# Altium PCB nPOC-BB_alpha_main-boardd.PcbDoc (part 2 of 3) (continued)
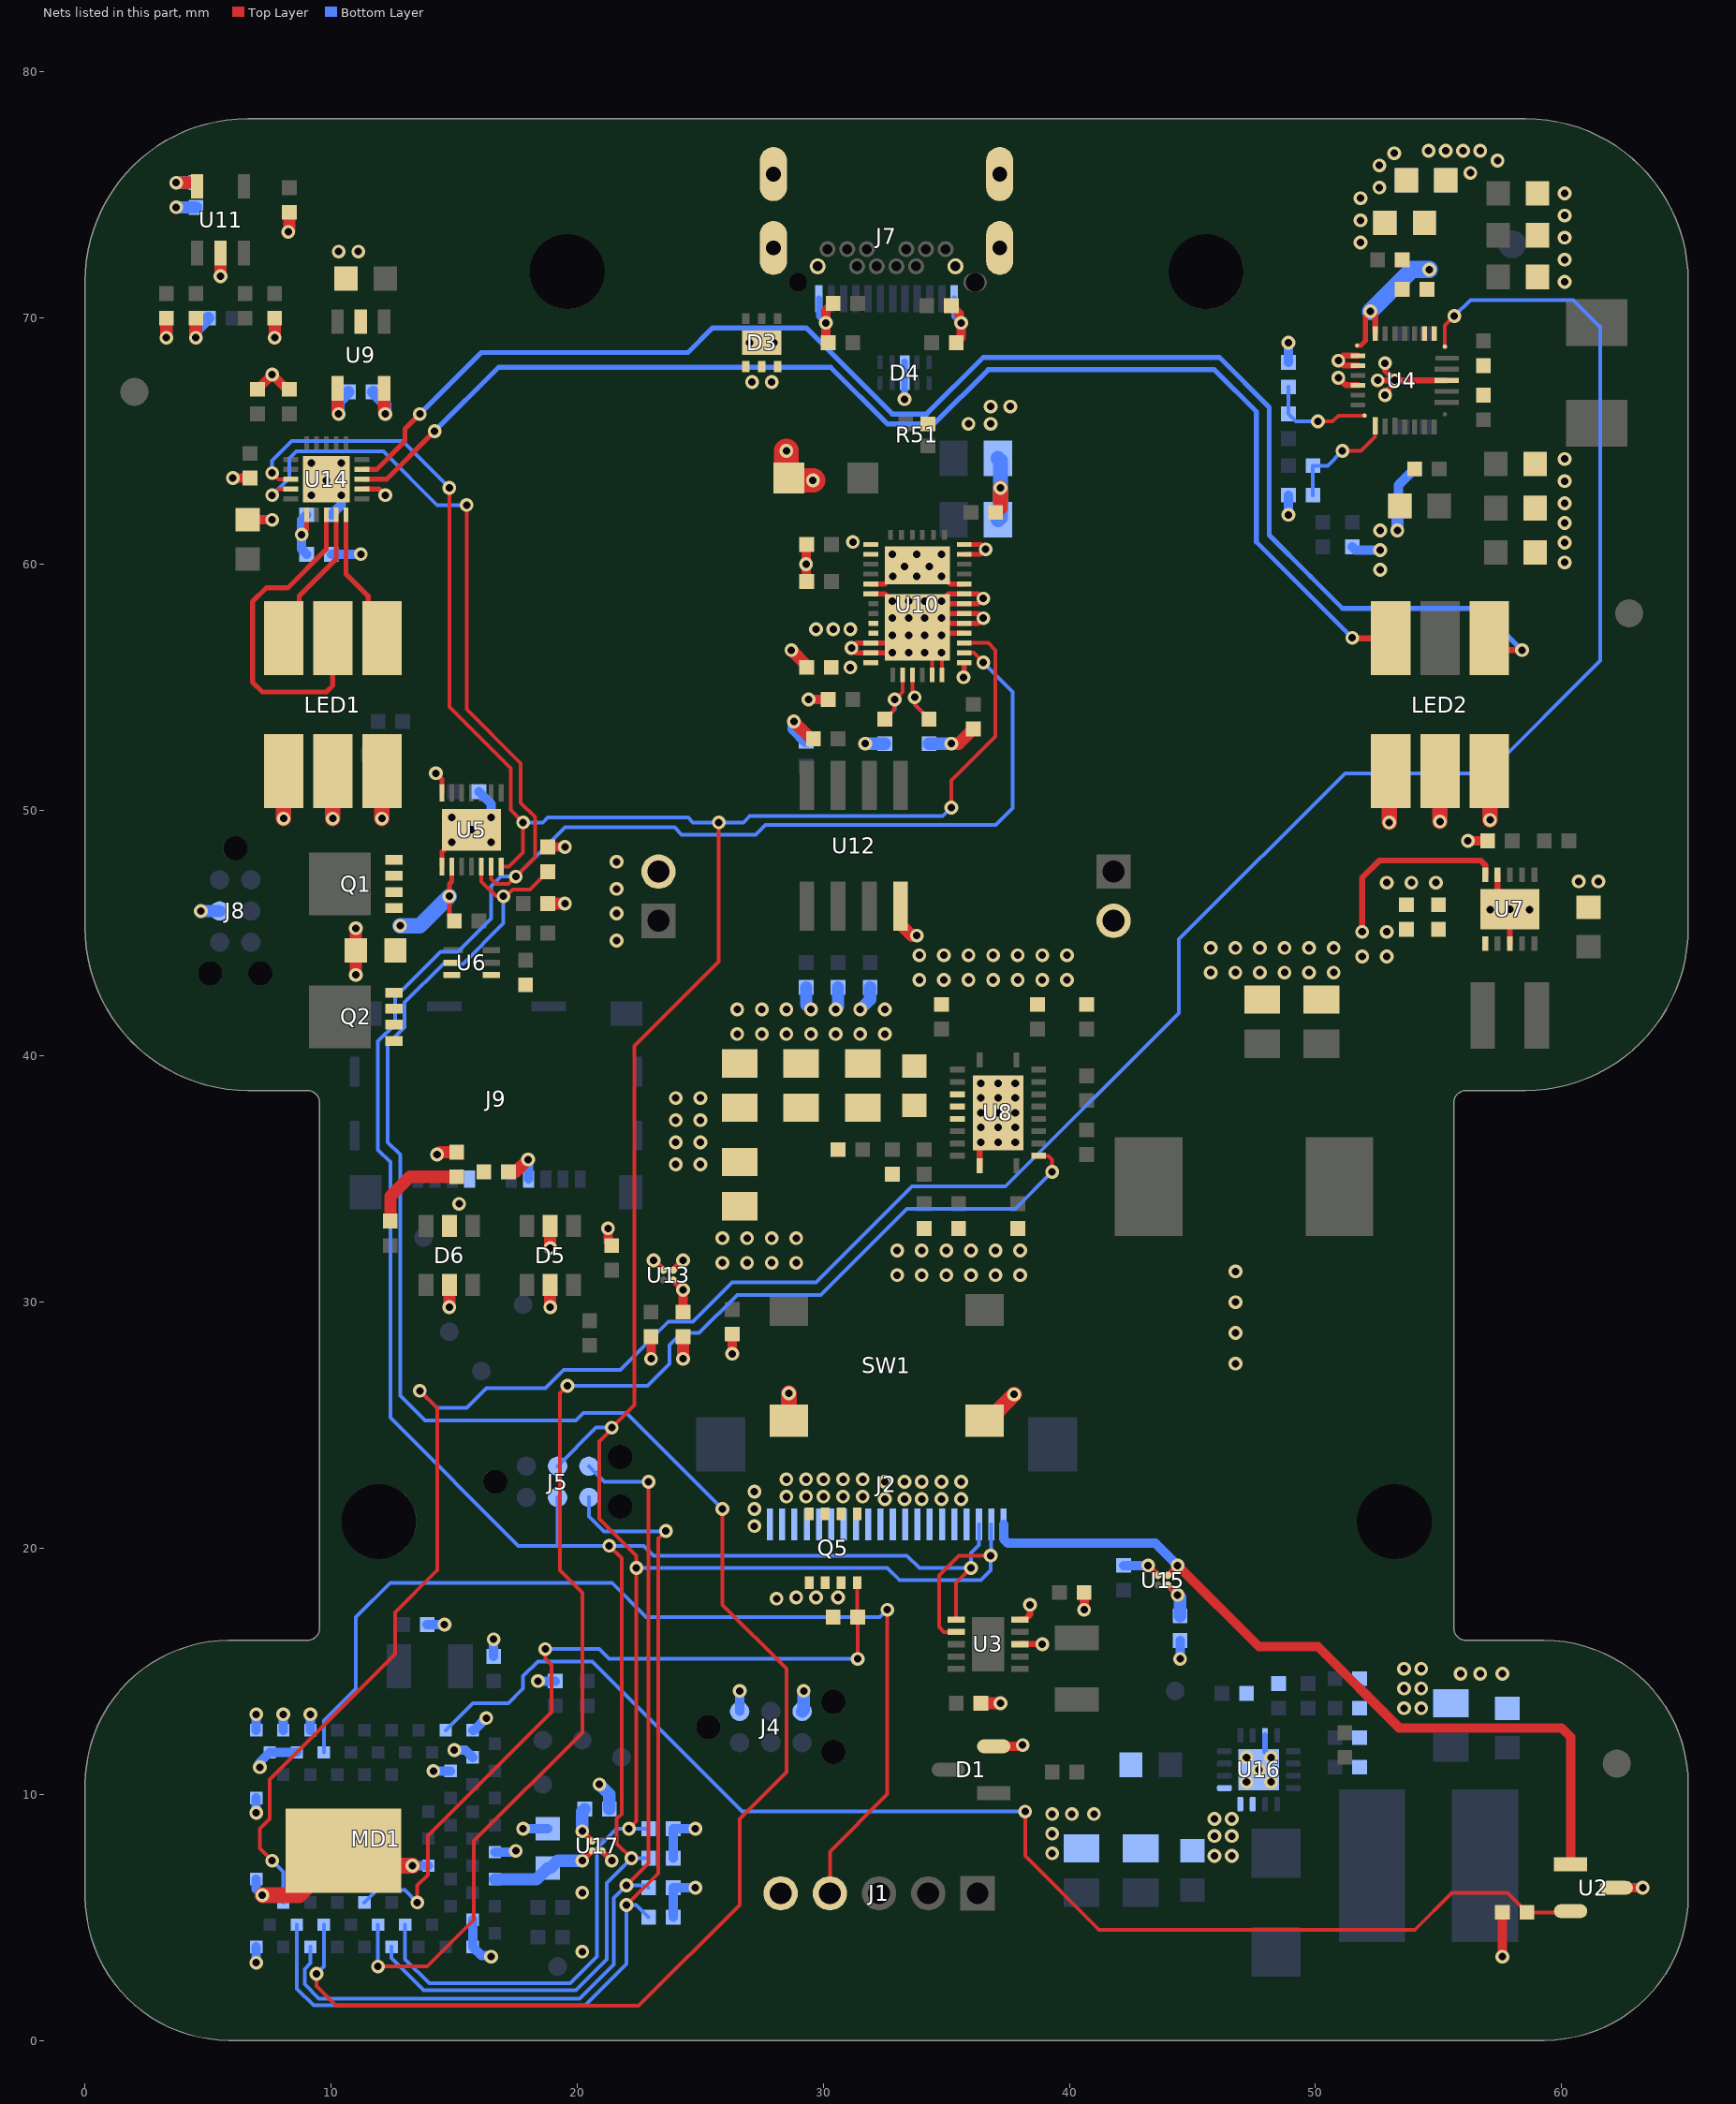
[diagram p4: the nets of this part, all layers, seen from the top]
## Part data (continued)
R34: library part CMP-00939-1, "Res Thick Film 0402 24.9K Ohm 1% 1/10W ±100ppm/", Case Code (Imperial)=0402, Case Code (Metric)=1005, Max Operating Temperature=155°C, Max Power Dissipation=100mW, Min Operating Temperature=-55°C, Package Quantity=1, Ratings=AEC-Q200, Resistance Tolerance=1%, Resistor Type="Thick Film", Temperature Coefficient=100ppm/°C, Voltage Rating=50V, Case/Package=0402, Construction=Rectangular, Contact Plating=Tin, Depth=0.5mm, Features="Automotive AEC-Q200", Height=0.016inch, Install=POP, Lead Free="Lead Free", Length=1mm, Military Standard=Not, Mounting Technology="Surface Mount", Number of Terminations=2, Packaging="Tape and Reel", Power Rating=100mW, Reach SVHC Compliant=No, RoHS Compliant=Yes, Series=ERJ, Termination=SMD/SMT, Tolerance=1%, Voltage Rating (DC)=50V, Weight=2.8E-05oz, Width=0.5mm
R37: library part CMP-00307-2, "Surface Mount Chip Resistor, Thick Film, RC Series, 1 kohm, 62.5 mW, 1%, 50 V, 0402 [1005 Metric]", Case Code (Imperial)=0402, Case Code (Metric)=1005, Max Operating Temperature=155°C, Max Power Dissipation=63mW, Min Operating Temperature=-55°C, Power Rating=62.5mW, Resistance=1kR, Resistance Tolerance=1%, Resistor Type="Thick Film", Temperature Coefficient=100ppm/°C, Voltage Rating=50V, Case/Package=0402, Construction=Rectangular, Depth=0.5mm, Features="Moisture Resistant", Height=0.32mm, Install=POP, Lead Free="Lead Free", Length=1mm, Military Standard=Not, Number of Pins=2, Number of Terminations=2, Packaging="Tape and Reel", REACH SVHC="No SVHC", RoHS Compliant=Yes, Series=RC, Size Code=0402, Technology="THICK FILM", Termination=SMD/SMT, Tolerance=1%, Voltage Rating (DC)=50V, Width=0.5mm
R38: library part CMP-00671-3, "Res Thick Film 0402 1M Ohm 1% 0.063W(1/16W) ±100ppm/C Pad SMD T/R", Case Code (Imperial)=0402, Case Code (Metric)=1005, Max Operating Temperature=155°C, Min Operating Temperature=-55°C, Package Quantity=10000, Power Rating=62.5mW, Resistance Tolerance=1%, Resistor Type="Thick Film", Temperature Coefficient=100ppm/°C, Voltage Rating=50V, Case/Package=0402, Construction=Rectangular, Contact Material=Tin, Depth=0.5mm, Height=0.35mm, Install=POP, Lead Free="Lead Free", Length=1mm, Military Standard=Not, Mounting Technology="Surface Mount", Packaging="Tape and Reel", Reach SVHC Compliant=Unknown, RoHS Compliant=Yes, Series=WR04X, Termination=SMD/SMT, Tolerance=1%, Voltage Rating (DC)=50V, Width=0.5mm
R39: library part CMP-00360-2, "Res Thick Film 0402 1.2M Ohm 1% 0.063W(1/16W) ±100ppm/C Pad SMD Automotive T/R", Case Code (Imperial)=0402, Case Code (Metric)=1005, Max Operating Temperature=155°C, Max Power Dissipation=63mW, Min Operating Temperature=-55°C, Power Rating=62.5mW, Resistance=1.2MR, Resistor Type="Thick Film", Temperature Coefficient=100ppm/°C, Tolerance=1%, Voltage Rating=50V, Case/Package=0402, Features="Moisture Resistant,Automotive AEC-Q200", Height=0.015inch, Install=POP, Length=0.039inch, Number of Terminations=2, Packaging="Tape and Reel", RoHS Compliant=Yes, Series=AC, Termination=SMD/SMT, Width=0.5mm
R40: library part CMP-00310-2, "Res General Purpose Thick Film 0402 47K Ohm 1% 1/16W ±100ppm/°C Molded SMD Paper T/R", Case Code (Imperial)=0402, Case Code (Metric)=1005, Max Operating Temperature=155°C, Max Power Dissipation=63mW, Min Operating Temperature=-55°C, Package Quantity=1, Power Rating=62.5mW, Resistance=47kR, Resistance Tolerance=1%, Resistor Type="Thick Film", Temperature Coefficient=100ppm/°C, Voltage Rating=50V, Case/Package=0402, Construction=Rectangular, Depth=0.5mm, Features="Moisture Resistant", Height=0.016inch, Install=POP, Lead Free="Lead Free", Length=1mm, Military Standard=Not, Number of Terminations=2, Packaging="Tape and Reel", REACH SVHC=Unknown, RoHS Compliant=Yes, Series=RC, Size Code=0402, Termination=SMD/SMT, Tolerance=1%, Width=0.02inch
R41 R42 R43 R44 R45 R46 R49 R50 R52 R53 R54 R59: library part CMP-00352-1, "Res Thick Film 0402 10K Ohm 1% 1/16W ±100ppm/°C Molded SMD SMD T/R", Case Code (Imperial)=0402, Case Code (Metric)=1005, Max Operating Temperature=155°C, Max Power Dissipation=63mW, Min Operating Temperature=-55°C, Package Quantity=1, Resistance=10kR, Resistor Type="Thick Film", Temperature Coefficient=100ppm/°C, Tolerance=1%, Case/Package=0402, Construction=Rectangular, Contact Plating=Tin, Depth=0.5mm, Features="Moisture Resistant", Height=0.016inch, Length=0.039inch, Military Standard=Not, Mount="Surface Mount", Number of Terminations=2, Packaging="Tape and Reel", Power Rating=63mW, Radiation Hardening=No, RoHS Compliant=Yes, Series=RC, Size Code=0402, Width=0.02inch
  R41 R42 R43 R44 R45 R46 R49 R52 R53 R54 R59: Install=POP
  R50: Install=DNP
R47: library part CMP-00725-1, "SMD Chip Resistor, 324 kOhm, ± 1%, 63 mW, 0402 [1005 Metric], Thick Film, General Purpose", Case Code (Imperial)=0402, Case Code (Metric)=1005, Max Operating Temperature=155°C, Max Power Dissipation=63mW, Min Operating Temperature=-55°C, Power Rating=62.5mW, Temperature Coefficient=100ppm/°C, Tolerance=1%, Voltage Rating=50V, Case/Package=0402, Construction=Rectangular, Contact Plating=Tin,Matte, Depth=0.5mm, Features="Moisture Resistant", Height=0.016inch, Install=POP, Lead Free="Lead Free", Length=1mm, Military Standard=Not, Number of Terminations=2, Packaging="Tape and Reel", RoHS Compliant=Yes, Series=RC, Termination=SMD/SMT, Voltage Rating (DC)=50V, Width=0.5mm
R48: library part CMP-00382-1, "Res Thick Film 0402 249K Ohm 1% 0.063W ±100ppm/°C Molded SMD Paper T/R", Case Code (Imperial)=0402, Case Code (Metric)=1005, Max Operating Temperature=155°C, Max Power Dissipation=63mW, Min Operating Temperature=-55°C, Ratings=AEC-Q200, Resistance=249kR, Resistor Type="Thick Film", Temperature Coefficient=100ppm/°C, Tolerance=1%, Case/Package=0402, Construction=Rectangular, Contact Plating=Tin,Matte, Depth=0.5mm, Features="Automotive AEC-Q200", Height=0.016inch, Install=POP, Length=0.039inch, Military Standard=Not, Mount="Surface Mount", Number of Terminations=2, Packaging="Tape and Reel", Radiation Hardening=No, RoHS Compliant=Yes, Series=RMCF, Width=0.02inch
R51: library part CMP-009-00020-2, "Symbol and footprint for Resistor Switch. Part selection for 0402 0 ohm jumper rated for 6.5A. Pads 1 and 2 populated by default.", Case/Package=0402, Max Operating Temperature=155°C, Max Power Dissipation=63mW, Min Operating Temperature=-55°C, Package Quantity=10000, Power Rating=3W, Resistance=0R, Resistor Type="Thick Film", Temperature Coefficient=200ppm/°C, Tolerance=5%, Voltage Rating (DC)=50V, Contact Plating=Tin, Depth=0.5mm, Features="Automotive AEC-Q200", Height=0.016inch, Height - Seated (Max)=0.016inch, Install=POP, Lead Free="Lead Free", Length=0.039inch, Military Standard=Not, Mount="Surface Mount", Number of Terminations=2, Packaging="Tape and Reel", Width=0.02inch
R56: library part CMP-00723-1, "Res SMD 22 Ohm 1% 1/16W 0402", Resistance=22R, Install=POP, RoHS Compliant=Yes
R60: library part CMP-00938-1, "SMD Chip Resistor, 3.4 kOhm, ± 1%, 100 mW, 0402 [1005 Metric], Thick Film, Precision", Case Code (Imperial)=0402, Case Code (Metric)=1005, Max Operating Temperature=155°C, Max Power Dissipation=100mW, Min Operating Temperature=-55°C, Package Quantity=1, Ratings=AEC-Q200, Resistance Tolerance=1%, Resistor Type="Thick Film", Temperature Coefficient=100ppm/°C, Voltage Rating=50V, Case/Package=0402, Contact Plating=Tin, Features="Automotive AEC-Q200", Height=0.016inch, Install=POP, Lead Free="Contains Lead", Length=0.039inch, Mounting Technology="Surface Mount", Number of Terminations=2, Packaging="Tape and Reel", Power Rating=100mW, Reach SVHC Compliant=No, RoHS Compliant=Yes, Series=ERJ, Termination=SMD/SMT, Tolerance=1%, Voltage Rating (DC)=50V, Weight=2.8E-05oz, Width=0.5mm
R61: library part CMP-00390-1, "Res General Purpose Thick Film 0402 2K Ohm 1% 1/16W ±100ppm/°C Molded SMD Paper T/R", Case Code (Imperial)=0402, Case Code (Metric)=1005, Max Operating Temperature=155°C, Max Power Dissipation=63mW, Min Operating Temperature=-55°C, Package Quantity=1, Resistance=2kR, Resistance Tolerance=1%, Resistor Type="Thick Film", Temperature Coefficient=100ppm/°C, Voltage Rating=50V, Case/Package=0402, Construction=Rectangular, Depth=0.5mm, Features="Moisture Resistant", Height=0.016inch, Install=POP, Lead Free="Lead Free", Length=0.039inch, Military Standard=Not, Number of Terminations=2, Packaging="Tape and Reel", Power Rating=63mW, RoHS Compliant=Yes, Series=RC, Technology="THICK FILM", Termination=SMD/SMT, Tolerance=1%, Voltage Rating (DC)=50V, Width=0.02inch, Working Voltage=50V
SW1: library part CMP-011-00000-2, "Switch Tactile N.O. SPST Round Button Gull Wing 0.05A 12VDC 100000Cycles 1.57N SMD T/R", Case/Package=SMD/SMT, Color=Black, Contact Current Rating=50mA, Contact Resistance=100mR, Max Operating Temperature=60°C, Max Voltage Rating (DC)=12V, Min Operating Temperature=-20°C, Operating Force=160gf, Package Quantity=1, Actuator Length=0.85mm, Actuator Material=Nylon,Polyamide,PA66, Actuator Type=Standard, Contact Material=Silver, Contact Plating=Silver, Current Rating=50mA, Depth=9mm, Illumination Type=Non-Illuminated,Illuminated, Install=POP, Lead Free="Lead Free", Length=6mm, Max Current Rating=50mA, Mechanical Life=100000Cycles, Mounting Technology="Surface Mount", Number of Positions=2, Orientation=Straight, Packaging="Tape and Reel", Reach SVHC Compliant=No, RoHS Compliant=Yes, Series=PTS645, Size=6mm, Switch Function=Off-Mom, Termination="Gull Wing", Throw Configuration=SPST, Voltage Rating (DC)=12V
TP1 TP2 TP3 TP4 TP6 TP7 TP8 TP9 TP10 TP11: library part CMP-00021-3, "Test Point Circle 30", Install=DNP
TP5: library part CMP-00809-3, "Test point clip, SMT Phos Bronze/Silver 1000pc Tape & Reel", Color=White, Package Quantity=1, Contact Material=Bronze, Contact Plating=Silver, Depth=2.48mm, Height=0.09inch, Install=DNP, Insulation Material=Polycarbonate, Lead Free="Lead Free", Length=3.81mm, Material=Bronze,Silver, Mounting Technology="Surface Mount", Number of Contacts=1, Number of Ports=1, Orientation=Straight, Packaging="Tape and Reel", Reach SVHC Compliant=No, RoHS Compliant=Yes, Series=-, Termination=Solder
U2: library part CMP-00881-2, "Switch/Latch Hall Effect Magnetic Position Sensor, SOT23-3, -40 to 125°C, RoHS", Case/Package=SOT-23-3, Max Operating Temperature=125°C, Max Supply Current=400nA, Min Operating Temperature=-40°C, Install=POP, Mounting Technology="Surface Mount", Packaging=Strip, RoHS Compliant=Yes, Series=-
U3: library part CMP-00812-3, "IC RTC CLK/CALENDAR I2C 10-SON", Case/Package="DFN EP", Max Operating Temperature=85°C, Max Supply Voltage=5.5V, Min Operating Temperature=-40°C, Min Supply Voltage=900mV, Package Quantity=4000, Date Format=Binary, Interface=I2C, Lead Free="Lead Free", Logic Function=Clock, Mounting Technology="Surface Mount", Packaging="Tape and Reel", Pins=10, Radiation Hardening=No, Reach SVHC Compliant=No, RoHS Compliant=Yes, Time Format=HH:MM:SS
U4: library part CMP-058-000000-7, "I2C Controlled, 1-4 Cell, 5-A Buck-Boost Battery Charger with Dual-Input", Mfr_Name="Texas Instruments", Design Item ID=BQ25792RQMR, Install=POP, RefDes=RefDes, RoHS Compliant=Yes, Source=PQ25792RQMR.SchLib, Type=TYPE
U5: library part CMP-00648-4, "Battery Management 5.1 A 1-Cell Fuel Gauge with ModelGauge m5 EZ and Optional H", Install=POP, RoHS Compliant=Yes
U6: library part CMP-00679-4, "Li-Ion/Li Polymer Advanced Single-Cell Battery Protector IC Family 6-WSON -40 to 85", Case/Package=WFDFN, Max Operating Temperature=85°C, Min Operating Temperature=-40°C, Operating Supply Voltage=8V, Package Quantity=3000, Contact Plating=Gold, Fault Protection="Over Current,Short Circuit,Over/Under Voltage", Install=POP, Lead Free="Lead Free", Mounting Technology="Surface Mount", Number of Cells=1, Packaging="Tape and Reel", Pins=6, RoHS Compliant=Yes, Series=-, Weight=0.000342oz
U7: library part CMP-00623-7, "IC REG BUCK BST 3.3V 1.6A 10SON, FIXED 3.3V", Case/Package=VSON, Max Operating Temperature=85°C, Max Output Current=1.2A, Max Output Voltage=3.3V, Max Supply Voltage=5.5V, Min Input Voltage=1.8V, Min Operating Temperature=-40°C, Package Quantity=1, Quiescent Current=30uA, Switching Frequency=1.5MHz, Efficiency=96%, Install=POP, Lead Free="Lead Free", Min Output Voltage=3.3V, Nominal Output Voltage=3.3V, Number of Outputs=1, Operating Supply Voltage=5.5V, Output Current=1.2A, Output Type=Fixed, Output Voltage=3.3V, Packaging="Tape and Reel", Pins=10, Radiation Hardening=No, Reach SVHC Compliant=No, RoHS Compliant=Yes, Series=-, Synchronous Rectifier=Yes, Topology=Buck-Boost, Weight=0.000921oz
U8: library part CMP-00928-2, "IC REG BOOST ADJ 10A SYNC 20VQFN", Case/Package=VQFN, Max Operating Temperature=85°C, Max Output Current=10A, Max Output Voltage=12.6V, Max Supply Voltage=12V, Min Input Voltage=2.7V, Min Operating Temperature=-40°C, Min Output Voltage=4.5V, Quiescent Current=110uA, Switching Frequency=2.2MHz, Efficiency=91%, Install=POP, Lead Free="Lead Free", Mounting Technology="Surface Mount", Number of Outputs=1, Operating Supply Voltage=12V, Output Configuration=Positive, Output Current=10A, Output Type=Adjustable, Output Voltage=12.6V, Packaging="Cut Tape", Pins=20, RoHS Compliant=Yes, Series=-, Synchronous Rectifier=Yes, Topology=Boost
U9: library part CMP-058-000001-1, "Fixed 5V LDO Voltage Regulators LDO CMOS LowCurr SOT23 TR 3K", Output Voltage=5V, Install=POP
U10: library part CMP-00653-4, "Highly integrated USB Type-C® and USB PD controller with pre-configured GUI 38-WQFN -40 to 125", Install=POP
U11: library part CMP-00170-5, "IC COMPARATOR SGL DIFF SOT-25", Case/Package=SOT-25, Input Bias Current=400nA, Input Offset Voltage (Vos)=8mV, Max Dual Supply Voltage=18V, Max Operating Temperature=70°C, Max Power Dissipation=740mW, Max Supply Current=1mA, Max Supply Voltage=36V, Min Dual Supply Voltage=1V, Min Operating Temperature=0°C, Min Supply Voltage=2V, Natural Thermal Resistance=173°C/W, Output Current=16mA, Package Quantity=3000, Quiescent Current=2.5mA, Voltage Gain=106.02dB, Height=1.3mm, Install=POP, Lead Free="Lead Free", Length=3.1mm, Max Input Current=400nA, Mount="Surface Mount", Nominal Supply Current=1mA, Number of Channels=1, Number of Elements=1, Number of Pins=5, Output Compatibility=CMOS, Output Type=TTL, Packaging="Tape and Reel", Power Dissipation=740mW, Radiation Hardening=No, REACH SVHC="No SVHC", Response Time=1.3us, RoHS Compliant=Yes, Series=-, Supply Current=1mA, Technology=BIPOLAR, Type="General Purpose", Width=1.7mm
U12: library part CMP-00660-3, "IC EEPROM 256KBIT 400KHZ 8SOIC", Case/Package=SOIC, Clock Frequency=400kHz, Frequency=1MHz, Max Operating Temperature=85°C, Max Supply Voltage=5.5V, Min Operating Temperature=-40°C, Min Supply Voltage=1.8V, Operating Supply Voltage=5V, Supply Current=3mA, Access Time=500ns, Access Time-Max=900ns, Density=256Kb, Halogen Free="Halogen Free", Height=1.5mm, Install=POP, Interface=I2C,Serial, Lead Free="Lead Free", Length=5mm, Memory Format=Non-Volatile,EEPROM, Memory Size=32000, Mounting Technology="Surface Mount", Nominal Supply Voltage=5.5V, Organization=32KX8, Packaging="Tape and Reel", Pins=8, Radiation Hardening=No, Reach SVHC Compliant=No, RoHS Compliant=Yes, Series=-, Width=4mm, Write Cycle Time-Max (tWC)=5ms, Write Protection=YES
U13 U15 U17: library part CMP-00215-5, "IC LOAD SWITCH W/DIS 1.5A 4WLCSP", Max Operating Temperature=85°C, Max Output Current=1.5A, Max Power Dissipation=400mW, Min Operating Temperature=-40°C, On-State Resistance=400mR, Operating Supply Voltage=5.5V, Package Quantity=3000, Halogen Free="Halogen Free", Install=POP, Interface=On/Off, Lead Free="Lead Free", Max Supply Current=1.5A, Mount="Surface Mount", Number of Outputs=1, Number of Pins=4, Output Configuration="High Side", Output Current=1.5A, Packaging="Tape and Reel", Power Dissipation=400mW, RoHS Compliant=Yes, Series=-, Turn-On Delay Time=195us
U14: library part CMP-00912-2, "6-Channel Light Effect LED Driver with I2C Interface 2.7V to 5.5V Input 20-Pin QFN T/R", Case/Package=QFN, Max Operating Temperature=85°C, Max Supply Voltage=5.5V, Min Operating Temperature=-40°C, Output Current per Channel=40mA, Dimming=I²C, Install=POP, Mounting Technology="Surface Mount", Number of Outputs=6, Packaging="Cut Tape", RoHS Compliant=Yes, Series=-
U16: library part CMP-00935-2, "6A/4A, 50-V, 2.2-MHz wide VIN boost, flyback, & SEPIC converter with dual random spread spectrum 16-WQFN -40 to 125", Install=POP
Y1 Y2: library part CMP-00624-3, "RT3215 Series 0.032768 ±20 ppm 9pF -40°C TO +85°C SMT Tuning Fork Crystal", Frequency Tolerance=20ppm, Load Capacitance=9pF, Max Operating Temperature=85°C, Min Operating Temperature=-40°C, Operating Frequency="32.768 kHz", Lead Free="Lead Free", RoHS Compliant=Yes
  Y1: Install=DNP
  Y2: Install=POP

## Free pads (board coordinates)
  round 1.143 smd paste-2539.97 mask+0.5: 1(2,67) 1(62.25,11.25) 1(62.75,58)
  round 1.143 smd far side paste-2539.97 mask+0.5: 1(2,67) 1(58,73) 1(62.25,11.25)
  round 3.048 hole 3.048 unplated: 2(11.938,21.082) 2(19.59,71.882) 2(45.561,71.882) 2(53.213,21.082)

## Via types
v1: diameter 0.559, hole 0.305, Top Layer to Bottom Layer, tented both sides, 537 vias

## Nets (pads, with @x,y where several pads share a name; then routed paths per layer and width w, separated by ;. In a path a pad name is that pad's centre, name@x,y a point inside that pad or via, vN(x,y) a via of type N, cw(c..) or ccw(c..) an arc to the next point about the centre after c; other vN are vias at no path point)
3V3: C32.2 C33.2 C48.2 C62.2 C63.2 C64.2 C68.2 D1.2 J4.1 LED1.4 LED1.5 LED1.6 LED2.4 LED2.5 LED2.6 MD1.17 MD1.65 R3.2 R4.2 R5.2 R6.2 R7.2 R8.2 R12.2 R13.2 R23.2 R52.1 R55.2 U3.3 U7.1 U7.10 U10.38 U13.A2 U14.1 U15.A2 | length 39.9
  Top Layer w0.2: v1(8.8,61.2) 9,61.4 U14.1@9,62
  Top Layer w0.24: v1(51.9,45.05) 51.9,47.25 52.6,47.95 56.713,47.95 56.9,47.762 U7.10@56.9,47.375
  Top Layer w0.25: U13.A2@23.9,30.9 v1(24.3,30.5) ; U3.3@37.991,16.1 v1(38.9,16.1) ; U15.A2@44,18.5 v1(44.4,18.1)
  Top Layer w0.381: v1(6,63.5) R55.2@6.7,63.5 ; R13.2@18.8,48.5 v1(19.5,48.5) ; v1(23,27.7) R52.1@23,28.6 ; C62.2@24.3,29.6 v1(24.3,30.5) ; v1(26.3,27.9) R3.2@26.3,28.7 ; D1.2@36.925,11.95 38.05,11.95 v1(38.1,12) ; v1(40.6,17.5) R12.2@40.6,18.2 ; v1(57.6,3.4) R4.2@57.6,5.2
  Top Layer w0.635: v1(8.06,49.66) LED1.4@8.06,51.585 ; v1(10.06,49.66) LED1.5@10.06,51.585 ; v1(12.06,49.66) LED1.6@12.06,51.585 ; v1(53,49.5) 53,51.525 LED2.4@53.06,51.585 ; v1(55.06,49.54) LED2.5@55.06,51.585 ; v1(57.1,49.6) LED2.6@57.1,51.545
  Bottom Layer w0.381: C64.2@9,60.4 8.8,60.6 v1(8.8,61.2) 8.8,61.8 C63.2@9,62 ; v1(15,11.8) 15.45,11.8 MD1.17@15.75,11.5 ; MD1.65@16.65,7.65 17.45,7.65 v1(17.5,7.7) ; R7.2@23.9,5 R8.2@23.9,6.2 v1(24.8,6.2) ; R5.2@23.9,7.4 R6.2@23.9,8.6 v1(24.8,8.6) ; J4.1@26.6,13.37 v1(26.6,14.2)
  Bottom Layer w0.5: v1(44.4,18.1) 44.5,18 C68.2@44.5,17.25
  other v1: 46.75,27.5 46.75,28.75 46.75,30 46.75,31.25 51.9,44.05 52.9,44.05 52.9,45.05 31.1,55.8
3V3_SD: C65.2 C66.2 D5.5 D6.5 J9.P4 R53.1 R54.1 U13.A1 | length 6.3
  Top Layer w0.25: U13.A1@23.9,31.3 v1(24.3,31.7)
  Top Layer w0.381: v1(21.25,33) 21.25,32.45 R54.1@21.4,32.3
  Top Layer w0.5: R53.1@12.4,33.3 12.4,34.3 13.2,35.1 C66.2@15.1,35.1 ; v1(18.9,32.2) D5.5@18.9,33.1
  other v1: 15.2,34
3V3_SWITCHED: J2.20 U2.1 U15.A1 | length 32.7
  Top Layer w0.25: U15.A1@44,18.9 v1(44.4,19.3)
  Top Layer w0.381: v1(44.4,19.3) 47.7,16 50.1,16 53.4,12.7 60,12.7 60.375,12.325 U2.1@60.375,7.15
  Bottom Layer w0.381: J2.20@37.325,20.971 37.325,20.375 37.5,20.2 43.5,20.2 v1(44.4,19.3)
5V: C47.2 C60.2 C78.2 R37.2 R39.2 U9.5 U10.34 U10.35 U11.5 U17.A2 | length 7
  Top Layer w0.25: v1(20.2,8.5) U17.A2@20.6,8.1
  Top Layer w0.5: v1(3.3,69.2) R39.2@3.3,70 ; v1(3.7,75.5) 4.403,75.5 U11.5@4.55,75.353 ; v1(8.25,73.5) 8.3,73.55 R37.2@8.3,74.3 ; U9.5@12.15,67.147 12.15,66.15 v1(12.2,66.1)
  Bottom Layer w0.5: v1(3.7,75.5) C60.2@4.5,75.5 ; C47.2@11.7,67 12.2,66.5 v1(12.2,66.1) ; v1(20.2,8.5) 20.2,9.3 C78.2@20.3,9.4
  other v1: 29.7,57.35 30.4,57.35 31.1,57.35
5V_USB_LDO: C1.2 MD1.66 U17.A1 | length 4.4
  Top Layer w0.25: v1(20.2,7.3) U17.A1@20.6,7.7
  Bottom Layer w0.5: MD1.66@16.65,6.55 18.35,6.55 C1.2@18.8,7 18.9,7 19.2,7.3 v1(20.2,7.3)
ADCIN1: R41.1 R49.2 U10.2 | length 3.1
  Top Layer w0.152: R41.1@32.5,53.7 32.884,54.084 32.884,54.484 v1(32.9,54.5) 32.925,54.5 33.226,54.801 U10.2@33.226,55.493
  Bottom Layer w0.152: R49.2@32.5,53.7 32.9,54.1 v1(32.9,54.5)
ADCIN2: R42.1 R50.2 U10.3 | length 3.2
  Top Layer w0.152: U10.3@33.626,55.493 33.626,54.674 v1(33.713,54.587) 33.713,54.287 R42.1@34.3,53.7
  Bottom Layer w0.152: v1(33.713,54.587) 33.713,54.287 R50.2@34.3,53.7
BATT_GND: C29.1 J3.2 J6.2 Q2.1 Q2.2 Q2.3 U6.4
  other v1: 21.6,44.7 21.6,45.8 21.6,46.8 21.6,47.9
BQ_IN: C6.2 C7.2 C8.2 C9.2 C10.2 R51.2 U4.2 U4.3 U4.8 U4.9 | length 5.8
  Top Layer w0.2: U4.9@51.694,68.881 51.844,68.881 52.031,69.069 52.031,70.069 v1(52.231,70.269)
  Top Layer w0.25: v1(52.231,70.269) 52.431,70.069 U4.8@52.431,69.369
  Bottom Layer w0.7: v1(52.231,70.269) 53.931,71.969 v1(54.631,71.969)
  other v1: 35.9,65.7 36.8,65.7 36.8,66.4 37.6,66.4 56.3,75.9 57.4,76.4 54.6,76.8 55.3,76.8 56,76.8 56,76.8 56.7,76.8
CHG_STAT: MD1.60 R23.1 U4.1 | length 108.7
  Top Layer w0.152: v1(7.6,7.3) 7.1,7.8 7.1,8.6 7.5,9 7.5,10.6 12.6,15.7 12.6,17.4 14.3,19.1 14.3,25.7 v1(13.6,26.4) ; U4.1@55.262,68.838 55.262,69.7 v1(55.644,70.081)
  Bottom Layer w0.152: v1(7.6,7.3) 8.05,6.85 MD1.60@8.05,5.6 ; v1(13.6,26.4) 14.3,25.7 15.5,25.7 16.3,26.5 18.7,26.5 19.45,27.25 21.75,27.25 23.7,29.2 24.7,29.2 26.3,30.8 29.7,30.8 33.6,34.7 37.4,34.7 44.45,41.75 44.45,44.75 51.2,51.5 57,51.5 61.574,56.074 61.574,58.974 61.574,69.626 ; v1(55.644,70.081) 56.298,70.735 60.465,70.735 61.574,69.626 ; 61.574,69.659 61.574,69.626
CHG_THERM: R17.1 R19.2 U4.16 | length 4.4
  Top Layer w0.152: v1(50.1,65.8) 50.7,65.8 50.938,66.038 U4.16@52,66.038
  Bottom Layer w0.152: R19.2@48.9,67.2 R17.1@48.9,66.1 49.2,65.8 v1(50.1,65.8)
COUT: Q1.4 U6.2
CW/CCW: J1.4 MD1.6 | length 41.4
  Top Layer w0.152: J1.4@30.266,5.975 30.266,7.666 32.6,10 v1(32.6,17.5)
  Bottom Layer w0.152: MD1.6@9.7,11.7 9.7,13 11,14.3 11,17.2 12.4,18.6 21.4,18.6 22.8,17.2 32.3,17.2 v1(32.6,17.5)
DOUT: Q2.4 U6.3
DRAIN: U10.15 U10.30 U10.40 | length 2.1
  Top Layer w0.2: U10.30@31.926,59.193 32.507,59.193 32.814,59.5 v1(32.833,59.5) ; v1(34.8,59.5) 34.839,59.5 35.147,59.193 U10.15@35.726,59.193
  other v1: 33.8,59.5 33.3,59.9 34.3,59.9 32.8,60.4 33.8,60.4 34.8,60.4
FG_ALRT_N: MD1.40 R13.1 U5.12 | length 82
  Top Layer w0.152: v1(9.4,2.7) 9.4,2.2 10.2,1.4 22.5,1.4 26.6,5.5 26.6,9 28.5,10.9 28.5,15.1 25.9,17.7 v1(25.9,21.6) ; U5.12@16.1,47.704 16.1,47.1 16.7,46.5 v1(17,46.5) 17.095,46.5 17.371,46.776 18.076,46.776 R13.1@18.8,47.5
  Bottom Layer w0.152: v1(9.4,2.7) 9.7,3 MD1.40@9.7,4.7 ; v1(17,46.5) 17,45.4 15.35,43.75 14.55,43.75 12.979,42.179 12.979,41.179 12.3,40.5 12.3,36.5 12.8,36 12.8,26.2 13.813,25.187 19.937,25.187 20.25,25.5 22,25.5 v1(25.9,21.6)
GND: C1.1 C2.1 C3.1 C4.2 C6.1 C7.1 C8.1 C9.1 C10.1 C12.1 C13.1 C14.1 C15.1 C16.1 C17.1 C18.1 C19.1 C20.1 C21.1 C22.2 C23.1 C24.1 C25.1 C26.1 C27.1 C28.1 C31.1 C32.1 C33.1 C34.1 C35.1 C36.1 C37.1 C38.1 C39.1 C40.1 C41.1 C42.1 C43.1 C44.2 C45.2 C46.1 C47.1 C48.1 C49.1 C50.1 C51.1 C52.1 C53.1 C54.1 C55.1 C56.1 C57.1 C58.1 C59.1 C60.1 C61.1 C62.1 C63.1 C64.1 C65.1 C66.1 C67.2 C68.1 C69.1 C70.1 C71.1 C72.1 C73.1 C74.1 C75.1 C76.1 C78.1 D2.A D3.1 D3.2 D3.3 D3.7 D4.3 D4.8 D5.2 D6.2 J1.5 J2.1 J4.5 J7.13 J7.14 J7.15 J7.16 J7.A1 J7.A12 J7.B1 J7.B12 J8.4 J9.P6 MD1.1 MD1.2 MD1.3 MD1.4 MD1.5 MD1.16 MD1.18 MD1.29 MD1.30 MD1.45 MD1.46 MD1.47 MD1.55 Q5.1 Q5.2 Q5.3 R1.1 R19.1 R20.1 R21.1 R22.1 R27.1 R29.2 R30.1 R31.1 R33.1 R34.1 R40.1 R43.1 R44.1 R45.1 R46.1 R47.1 R48.1 R49.1 R50.1 R57.1 R58.2 R59.2 R60.1 R61.1 SW1.3 SW1.4 TP5.1 U2.3 U3.5 U4.10 U4.11 U4.13 U4.27 U5.7 U5.8 U5.15 U7.3 U7.9 U7.11 U8.20 U8.21 U9.2 U9.4 U10.5 U10.6 U10.7 U10.10 U10.11 U10.12 U10.13 U10.14 U10.18 U10.19 U10.26 U10.27 U10.31 U10.36 U10.37 U10.39 U11.2 U12.4 U13.B1 U14.7 U14.21 U15.B1 U16.1 U16.7 U16.15 U16.16 U16.17 U17.B1 | length 119.5
  Top Layer w0.152: U10.39@33.826,57.428 34.426,56.828 U10.5@34.426,55.493 ; v1(34.8,56.4) 34.826,56.373 U10.6@34.826,55.493
  Top Layer w0.2: U14.7@11.25,63.05 11.95,63.05 v1(12.2,62.8) ; v1(14.25,51.5) 14.5,51.25 U5.7@14.5,50.696 ; U5.8@14.5,47.704 14.5,48.3 v1(14.9,48.7) ; U10.31@31.926,58.793 32.497,58.793 32.789,58.5 v1(32.8,58.5) ; v1(32.8,56.4) 32.793,56.393 31.317,56.393 31.144,56.566 v1(31.144,56.593) 31.344,56.793 32.602,56.793 32.8,56.991 v1(32.8,57.1) ; v1(34.8,57.1) 34.893,57.193 U10.10@35.726,57.193 ; v1(35.7,55.4) 35.727,55.427 U10.7@35.726,55.993 ; U10.18@35.726,60.393 36.393,60.393 v1(36.6,60.6) 36.407,60.793 U10.19@35.726,60.793 ; v1(34.8,57.8) 35.007,57.593 U10.11@35.726,57.593 36.293,57.593 v1(36.5,57.8) 36.307,57.993 U10.12@35.726,57.993 34.993,57.993 v1(34.8,57.8) ; v1(34.8,58.5) 34.907,58.393 U10.13@35.726,58.393 36.293,58.393 v1(36.5,58.6) 36.307,58.793 U10.14@35.726,58.793 35.093,58.793 v1(34.8,58.5)
  Top Layer w0.24: U7.3@57.9,44.575 v1(57.9,45.975)
  Top Layer w0.25: U17.B1@21,7.7 v1(21.4,7.3) ; v1(23.1,31.7) U13.B1@23.5,31.3 ; v1@30.5,18.1 v1(30.6,18) ; U8.20@36.35,35.55 36.35,36.45 v1(36.4,36.5) ; U3.5@37.991,17.1 38.2,17.1 38.4,17.3 v1(38.4,17.7) ; v1(43.2,19.3) U15.B1@43.6,18.9 ; v1(50.931,67.569) 51.231,67.269 U4.13@51.731,67.269 ; U4.11@51.731,68.069 51.131,68.069 v1(50.931,68.269) 51.131,68.469 U4.10@51.731,68.469 ; v1@52.431,67.469 v1(52.531,67.469) v1(53.231,67.469) ; v1(52.831,66.869) 52.831,66.969 53.231,67.369 v1(53.231,67.469) ; v1(52.831,68.169) 52.831,67.869 v1(53.231,67.469) ; U4.27@55.331,67.469 v1(53.231,67.469) ; U7.9@57.4,47.375 57.4,46.475 v1(57.9,45.975)
  Top Layer w0.381: C67.2@6.6,61.8 v1(7.6,61.8) ; R57.1@7,67.1 v1(7.6,67.7) 8.2,67.1 R58.2@8.3,67.1 ; C55.1@29.3,59.3 v1(29.3,60) C56.1@29.3,60.8 ; v1(29.4,54.5) C53.1@30.2,54.5 ; C49.1@30.2,69 30.1,69.1 v1(30.1,69.8) 30.1,70.3 C52.1@30.4,70.6 ; C51.1@35.2,70.5 35.525,70.175 35.525,69.875 v1(35.6,69.8) 35.6,69.2 C50.1@35.4,69 ; v1(52.9,47.05) v1@53,47.05 ; v1(56.2,48.75) C41.1@57,48.75 ; U2.3@62.225,6.2 63.4,6.2 v1(63.3,6.2)
  Top Layer w0.5: v1(4.5,69.2) R48.1@4.5,70 ; v1(5.5,71.7) U11.2@5.5,72.647 ; v1(7.7,69.2) R47.1@7.7,70 ; U9.4@10.25,67.147 10.25,66.15 v1(10.3,66.1) ; v1(11,43.3) R21.1@11,44.3 v1(11,45.2) ; v1(14.3,36) 14.4,36.1 C66.1@15.1,36.1 ; v1(14.8,29.8) D6.2@14.8,30.7 ; C65.1@17.2,35.3 17.5,35.3 v1(18,35.8) ; C28.1@18.8,46.2 v1(19.5,46.2) ; v1(18.9,29.8) D5.2@18.9,30.7 ; v1(24.3,27.7) C62.1@24.3,28.6 ; v1(28.7,56.5) 29.332,55.868 C48.1@29.332,55.826 ; v1(28.8,53.6) 29.5,52.9 R43.1@29.6,52.9 ; U12.4@33.14,46.1 33.14,45.36 33.6,44.9 v1(33.8,44.9) ; v1(35.2,52.7) 35.5,52.7 C54.1@36.1,53.3 ; C4.2@36.4,13.7 v1(37.2,13.7)
  Top Layer w0.6: C59.1@37,62.1 37.2,62.3 v1(37.2,63.1)
  Top Layer w0.635: v1(7.2,5.9) 8.7,5.9 TP5.1@10.5,7.7 11.1,7.1 v1(13.3,7.1) ; SW1.3@28.6,25.182 v1(28.6,26.3) ; SW1.4@36.55,25.182 36.682,25.182 v1(37.75,26.25)
  Top Layer w1: v1(28.5,64.6) 28.5,63.5 28.6,63.4 v1(29.575,63.4)
  Bottom Layer w0.24: U16.7@47.95,12.4 47.95,11.75 v1(48.2,11.5)
  Bottom Layer w0.25: J7.A1@29.82,70.79 29.82,70.08 v1(30.1,69.8) ; v1(33.3,66.7) D4.3@33.3,68.225 ; J7.A12@35.32,70.79 35.32,70.08 v1(35.6,69.8)
  Bottom Layer w0.381: v1(6.95,3.15) MD1.45@6.95,3.8 ; MD1.46@6.95,6.55 6.95,6.15 v1(7.2,5.9) ; v1(6.95,9.25) MD1.47@6.95,9.85 ; MD1.1@6.95,12.6 v1(6.95,13.25) ; v1(7.1,11.1) 7.1,11.3 MD1.2@7.5,11.7 MD1.4@8.6,11.7 ; MD1.3@8.05,12.6 v1(8.05,13.25) ; MD1.5@9.15,12.6 v1(9.15,13.25) ; C64.1@10,60.4 v1(11.2,60.4) ; C63.1@10,62 10.4,62.4 v1(10.4,62.8) ; v1(13.3,7.1) MD1.55@13.95,7.1 ; C2.1@13.9,16.9 v1(14.6,16.9) v1@14.7,16.9 ; v1(14.15,10.95) MD1.18@14.85,10.95 ; MD1.29@15.75,4.9 MD1.30@15.75,3.8 16.114,3.436 16.464,3.436 v1(16.5,3.4) ; MD1.16@15.75,12.6 15.8,12.6 v1(16.3,13.1) ; C22.2@16,50.75 16.5,50.25 v1(16.5,49.7) ; C3.1@16.6,15.6 v1(16.6,16.3) ; v1(17.8,8.6) C1.1@18.8,8.6 ; v1(18,35.8) 18.02,35.78 J9.P6@18.02,35.01 ; v1(18.4,14.6) R31.1@19.1,14.6 ; R59.2@42.2,19.3 v1(43.2,19.3) ; v1(44.5,15.5) C68.1@44.5,16.25 ; v1(48.9,62) R20.1@48.9,62.8 ; R19.1@48.9,68.2 v1(48.9,69) ; R22.1@51.5,60.7 51.631,60.569 v1(52.631,60.569) ; C25.1@53.381,62.319 53.381,63.219 C27.1@54.031,63.869
  Bottom Layer w0.5: v1(3.7,74.5) C60.1@4.5,74.5 ; v1(4.5,69.2) 4.5,69.5 R40.1@5,70 ; v1(4.7,45.9) J8.4@5.465,45.9 ; v1(10.3,66.1) 10.3,66.6 C47.1@10.7,67 ; v1(20.9,10.4) 21.3,10 C78.1@21.3,9.4 ; v1(28.8,53.6) 28.8,53.3 C61.1@29.3,52.8 ; J4.5@29.14,13.37 29.2,13.43 v1(29.2,14.2) ; R44.1@29.3,42.8 29.3,42.1 v1(29.5,41.9) ; v1(30.5,41.9) 30.6,42 R45.1@30.6,42.8 ; v1(31.5,41.9) 31.9,42.3 R46.1@31.9,42.8 ; v1(31.7,52.7) R49.1@32.5,52.7 ; R50.1@34.3,52.7 v1(35.2,52.7) ; v1(53.331,61.369) 53.331,62.269 53.381,62.319 C25.1@53.431,62.369
  Bottom Layer w0.6: C57.1@37.1,61.8 37.2,61.9 v1(37.2,63.1) 37.2,64.2 C58.1@37.1,64.3
  other v1: 20.2,3.6 20.2,6 45.9,7.5 46.6,7.5 39.3,7.6 45.9,8.3 46.6,8.3 39.3,8.4 45.9,9 46.6,9 39.3,9.2 40.1,9.2 41,9.2 47.2,10.5 48.2,10.5 47.7,11 47.2,11.5 53.6,13.5 54.3,13.5 53.6,14.3 54.3,14.3 55.9,14.9 56.7,14.9 57.6,14.9 53.6,15.1 54.3,15.1 28.1,17.95 28.9,18 29.7,18 27.2,20.9 27.2,21.6 27.2,22.3 33,31.1 34,31.1 35,31.1 36,31.1 37,31.1 38,31.1 25.9,31.6 26.9,31.6 27.9,31.6 28.9,31.6 33,32.1 34,32.1 35,32.1 36,32.1 37,32.1 38,32.1 25.9,32.6 26.9,32.6 27.9,32.6 28.9,32.6 37.1,36.5 37.8,36.5 36.4,37.1 37.1,37.1 37.8,37.1 36.4,37.7 37.1,37.7 37.8,37.7 36.4,38.3 37.1,38.3 37.8,38.3 36.4,38.9 37.1,38.9 37.8,38.9 26.5,40.9 27.5,40.9 28.5,40.9 29.5,40.9 30.5,40.9 31.5,40.9 32.5,40.9 26.5,41.9 27.5,41.9 28.5,41.9 32.5,41.9 33.9,43.1 34.9,43.1 35.9,43.1 36.9,43.1 37.9,43.1 38.9,43.1 39.9,43.1 45.744,43.4 46.744,43.4 47.744,43.4 48.744,43.4 49.744,43.4 50.744,43.4 33.9,44.1 34.9,44.1 35.9,44.1 36.9,44.1 37.9,44.1 38.9,44.1 39.9,44.1 45.744,44.4 46.744,44.4 47.744,44.4 48.744,44.4 49.744,44.4 50.744,44.4 57.1,45.95 58.7,45.95 53.9,47.05 54.9,47.05 60.7,47.1 61.5,47.1 16.5,48.7 15.7,49.2 14.9,49.7 33.475,56.4 34.125,56.4 33.475,57.1 34.125,57.1 32.8,57.8 33.475,57.8 34.125,57.8 33.475,58.5 34.125,58.5 52.631,59.769 60.131,60.069 60.131,60.869 31.2,60.9 52.631,61.369 60.131,61.669 60.131,62.469 9.2,62.8 60.131,63.369 9.8,63.4 9.2,64.1 10.4,64.1 60.131,64.269 27.1,67.4 27.9,67.4 27,69 28,69 60.131,71.469 60.131,72.369 10.3,72.7 11.1,72.7 51.831,73.069 60.131,73.269 51.831,73.969 60.131,74.169 51.831,74.869 60.131,75.069 52.6,75.3 52.6,76.2 53.2,76.7
GND_SNS: Q1.1 Q1.2 Q1.3 R18.2 R21.2 U5.9 | length 4.8
  Top Layer w0.2: U5.9@14.9,47.704 14.9,47.1 14.8,47 v1(14.8,46.5) 14.8,45.7 R18.2@15,45.5
  Bottom Layer w0.635: v1(12.8,45.3) 13.6,45.3 v1(14.8,46.5)
H1_CTRL: MD1.57 Q5.4 R33.2 | length 31.2
  Top Layer w0.152: v1(13.5,5.6) 13.5,6.3 13.921,6.721 13.921,8.321 18.944,13.344 18.944,15.256 18.7,15.5 v1(18.7,15.9) ; Q5.4@31.375,18.6 31.375,17.225 R33.2@31.4,17.2 v1(31.4,15.5)
  Bottom Layer w0.152: MD1.57@11.35,5.6 11.85,6.1 13,6.1 v1(13.5,5.6) ; v1(18.7,15.9) 20.9,15.9 21.3,15.5 v1(31.4,15.5)
H1_N: J2.2 J2.3 J2.4 J2.5 J2.6 J2.7 J2.8 J2.9 Q5.5 Q5.6 Q5.7 Q5.8
  other v1: 28.5,22.1 29.3,22.1 30,22.1 30.8,22.1 31.6,22.1 28.5,22.8 29.3,22.8 30,22.8 30.8,22.8 31.6,22.8
HALL_OUT: MD1.15 R4.1 U2.2 | length 53.7
  Top Layer w0.152: v1(38.2,9.3) 38.2,7.5 41.2,4.5 54.05,4.5 55.55,6 57.8,6 R4.1@58.6,5.2 60.325,5.2 U2.2@60.375,5.25
  Bottom Layer w0.152: MD1.15@14.65,12.6 15.75,13.7 17.2,13.7 17.8,14.3 17.8,14.8 18.4,15.4 20.6,15.4 26.7,9.3 v1(38.2,9.3)
HEATER_P: C36.2 C37.2 C38.2 C39.2 C40.2 J2.10 J2.11 J2.12 J2.13 J2.14 J2.15 J2.16 J2.17 R25.2 U8.14 U8.15 U8.16
  other v1: 32.5,22 33.3,22 34,22 34.8,22 35.6,22 32.5,22.7 33.3,22.7 34,22.7 34.8,22.7 35.6,22.7 24,35.6 25,35.6 24,36.5 25,36.5 24,37.4 25,37.4 24,38.3 25,38.3
HEATER_PWR_EN: MD1.36 U8.2 | length 55.3
  Top Layer w0.152: v1(11.9,3) 13.9,3 15.8,4.9 15.8,8.1 20.2,12.5 20.2,18.2 19.3,19.1 19.3,26.3 v1(19.6,26.6) ; U8.2@38.75,35.95 39.15,35.95 39.3,35.8 v1(39.3,35.3)
  Bottom Layer w0.152: v1(11.9,3) MD1.36@11.9,4.7 ; v1(19.6,26.6) 22.85,26.6 23.75,27.5 23.75,28.25 24.25,28.75 24.95,28.75 26.5,30.3 29.9,30.3 33.4,33.8 37.8,33.8 v1(39.3,35.3)
I2C0_SCL: J2.19 J5.3 MD1.34 R6.1 U3.7 U5.14 U10.9 U14.18 | length 138.6
  Top Layer w0.152: v1(7.6,63.7) 7.85,63.45 U14.18@8.35,63.45 ; v1(14.8,63.1) 14.8,54.2 17.3,51.7 17.3,50 v1(17.8,49.5) 17.8,48.282 17.221,47.704 U5.14@16.9,47.704 ; v1(22.1,8.6) 22.4,8.9 v1(22.4,19.2) 22.4,19.7 20.9,21.2 20.9,24.345 21.4,24.845 v1(21.4,24.9) 22.318,25.818 22.318,40.418 25.75,43.85 v1(25.75,49.5) ; v1(35.2,50.1) 35.2,51.2 37,53 37,56.5 36.7,56.8 36.693,56.793 U10.9@35.726,56.793 ; U3.7@35.4,16.6 34.9,16.6 34.7,16.8 34.7,18.9 35.5,19.7 v1(36.8,19.7)
  Bottom Layer w0.152: v1(7.6,63.7) 7.6,64.2 8.4,65 12.9,65 v1(14.8,63.1) ; MD1.34@13,4.7 13,3.3 13.984,2.316 19.716,2.316 20.8,3.4 20.8,7.8 21.6,8.6 v1(22.1,8.6) R6.1@22.9,8.6 ; v1(17.8,49.5) 18.6,49.5 18.8,49.7 24.5,49.7 24.7,49.5 v1(25.75,49.5) 26.75,49.5 27,49.75 34.85,49.75 v1(35.2,50.1) ; J5.3@19.2,23.335 20.765,24.9 v1(21.4,24.9) ; v1(22.4,19.2) 32.6,19.2 33.1,18.7 36.4,18.7 36.8,19.1 v1(36.8,19.7) 36.825,19.725 J2.19@36.825,20.971
I2C0_SDA: J2.18 J5.4 MD1.35 R5.1 U3.6 U5.13 U10.8 U14.19 | length 144.5
  Top Layer w0.152: v1(7.6,62.8) 7.85,63.05 U14.19@8.35,63.05 ; v1(15.5,62.4) 15.5,54.1 17.7,51.9 17.7,50.3 18.283,49.717 18.283,48.083 v1(17.5,47.3) 17.2,47 16.7,47 16.5,47.2 U5.13@16.5,47.704 ; v1(21.3,20.1) 21.8,19.6 21.8,9.2 21.6,9 21.6,8 v1(22.2,7.4) ; U3.6@35.4,17.1 35.4,18.6 v1(36,19.2) ; U10.8@35.726,56.393 36.107,56.393 v1(36.5,56)
  Bottom Layer w0.152: v1(7.6,62.8) 8.3,63.5 8.3,64.3 8.583,64.583 12.117,64.583 14.3,62.4 v1(15.5,62.4) ; MD1.35@12.45,3.8 12.45,3.35 13.764,2.036 19.936,2.036 21.2,3.3 21.2,6.4 v1(22.2,7.4) 22.85,7.4 22.9,7.35 R5.1@22.9,7.4 ; J5.4@19.2,22.065 19.2,20.1 ; J2.18@36.325,20.971 36.325,20.125 36,19.8 v1(36,19.2) 33.9,19.2 33.4,19.7 23.1,19.7 22.7,20.1 v1(21.3,20.1) 19.2,20.1 ; v1(36.5,56) 37.7,54.8 37.7,50.091 37.009,49.4 27.65,49.4 27.25,49 24.25,49 23.95,49.3 19.5,49.3 v1(17.5,47.3) 16.9,47.3 16.5,46.9 16.5,45.6 15.15,44.25 14.45,44.25 12.6,42.4 12.6,41.3 11.9,40.6 11.9,36.2 12.4,35.7 12.4,25.3 17.6,20.1 19.2,20.1
I2C1_SCL: J5.5 MD1.41 R8.1 | length 38.8
  Top Layer w0.152: v1(22,6.3) 22.9,7.2 v1(22.9,22.7)
  Bottom Layer w0.152: MD1.41@9.15,3.8 9.15,3.133 8.917,2.9 8.917,2.283 9.5,1.7 20.09,1.7 21.479,3.089 21.479,5.779 v1(22,6.3) 22.8,6.3 R8.1@22.9,6.2 ; J5.5@20.47,23.335 21.105,22.7 21.7,22.7 21.784,22.7 v1(22.9,22.7)
I2C1_SDA: J5.6 MD1.42 R7.1 | length 40.5
  Top Layer w0.152: v1(22,5.5) 23.3,6.8 23.3,20.4 v1(23.6,20.7)
  Bottom Layer w0.152: MD1.42@8.6,4.7 8.6,2.1 9.279,1.421 20.321,1.421 22,3.1 v1(22,5.5) 22.4,5.5 R7.1@22.9,5 ; J5.6@20.47,22.065 20.47,21.291 21.08,20.68 23.58,20.68 v1(23.6,20.7)
ILIM_HIZ: R16.1 R20.2 U4.17 | length 4.7
  Top Layer w0.152: v1(51.1,64.6) 51.853,64.6 52.431,65.179 U4.17@52.431,65.619
  Bottom Layer w0.152: R20.2@49.9,62.8 R16.1@49.9,64 50.5,64 v1(51.1,64.6)
LED1_B: LED1.1 U14.5 | length 5.6
  Top Layer w0.2: U14.5@10.6,62 10.6,59.6 11.5,58.7 11.5,57.545 LED1.1@12.06,56.985
LED1_G: LED1.3 U14.4 | length 5.9
  Top Layer w0.2: LED1.3@8.06,56.985 8.06,57.76 8.7,58.4 8.7,58.7 10.2,60.2 U14.4@10.2,62
LED1_R: LED1.2 U14.3 | length 14
  Top Layer w0.2: U14.3@9.8,62 9.8,60.6 8.238,59.038 7.362,59.038 6.8,58.475 6.8,55.2 7.2,54.8 9.8,54.8 10.06,55.06 LED1.2@10.06,56.985
LED2_B: LED2.1 U14.9 | length 61.7
  Top Layer w0.2: U14.9@11.25,63.85 11.85,63.85 13,65 13,65.5 v1(13.6,66.1)
  Top Layer w0.25: LED2.1@57.06,56.985 57.545,56.5 v1(58.4,56.5)
  Bottom Layer w0.2: v1(13.6,66.1) 16.1,68.6 24.5,68.6 25.5,69.6 29.3,69.6 32.8,66.1 34.2,66.1 36.5,68.4 46.1,68.4 48.125,66.375 48.125,61.175 49.806,59.494 51.1,58.2 56.7,58.2 v1(58.4,56.5)
LED2_G: LED2.3 U14.8 | length 53.2
  Top Layer w0.2: U14.8@11.25,63.45 12.25,63.45 v1(14.2,65.4)
  Top Layer w0.25: v1(51.5,57) 51.515,56.985 LED2.3@53.06,56.985
  Bottom Layer w0.2: v1(14.2,65.4) 16.8,68 30.3,68 32.6,65.7 34.5,65.7 36.7,67.9 45.9,67.9 47.6,66.2 47.6,60.9 v1(51.5,57)